# Allegro board com_v1_p3.brd (continued)
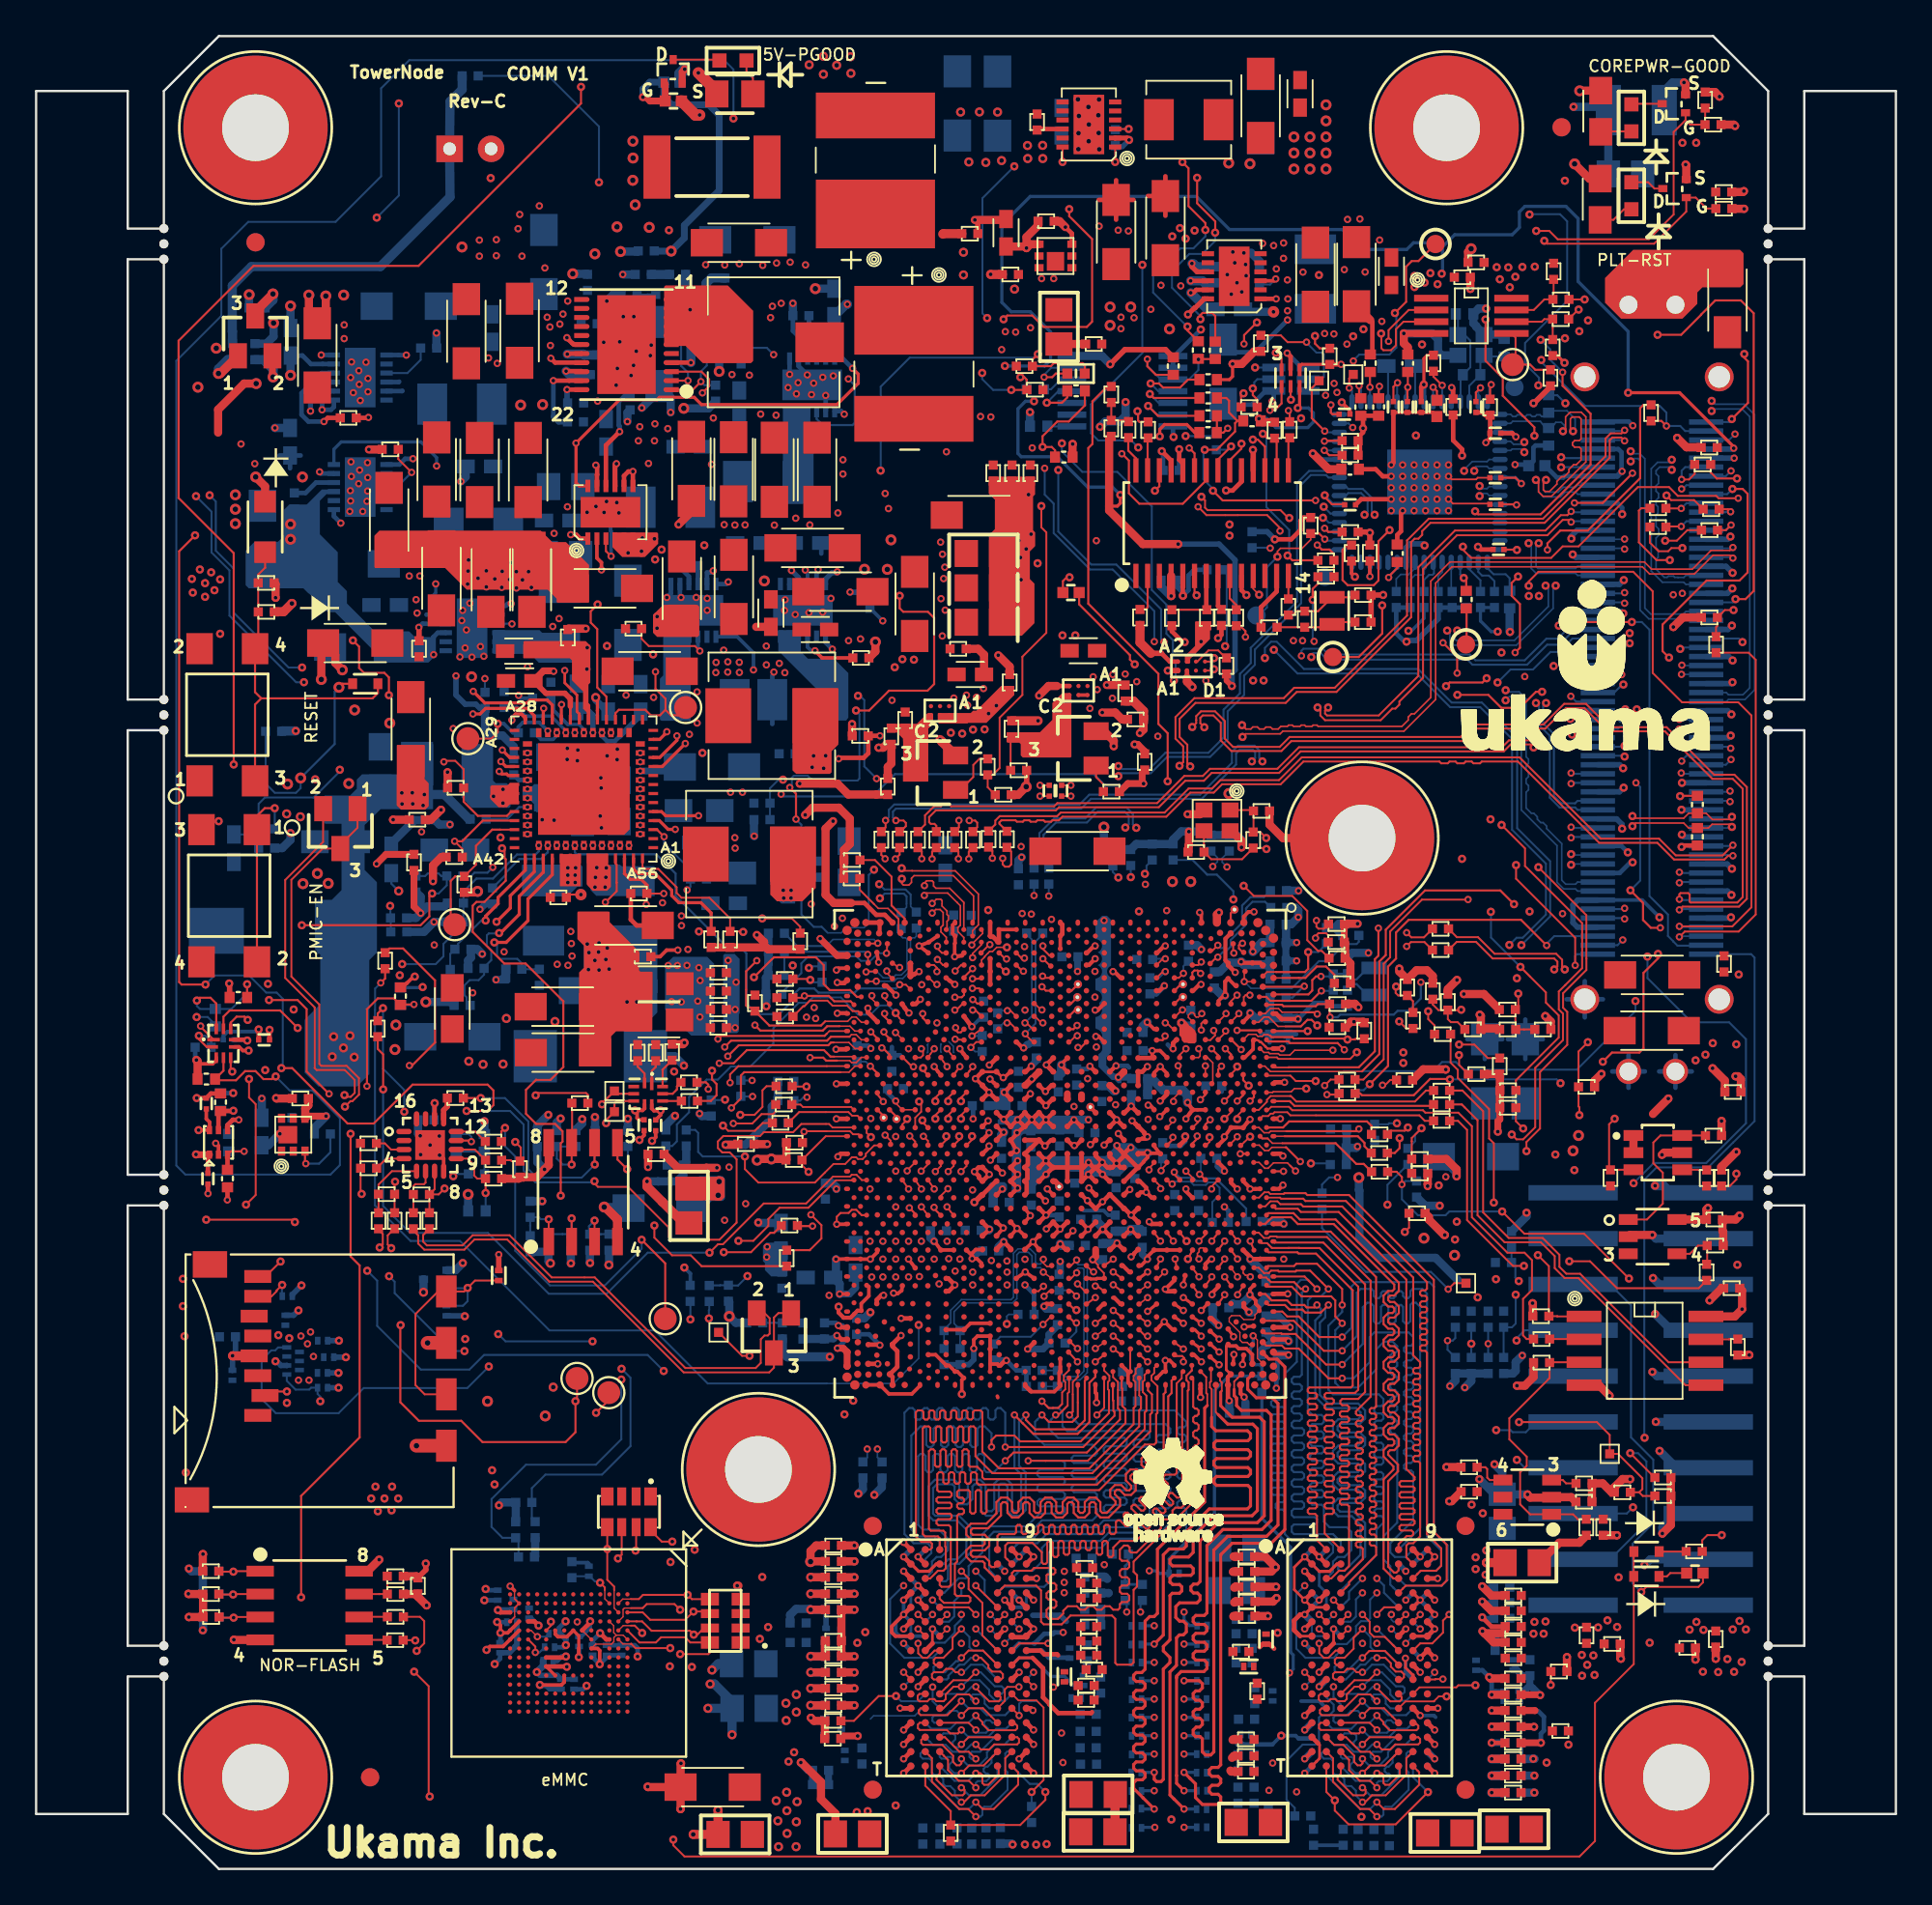
[diagram p0: board, top side]
## Nets (continued)
UNNAMED_7_BYTISOCR1P1_I121_SI_1: R2C9.1(A[0]) U3C1.BH22(SIO_I2C0_DATA)
UNNAMED_7_BYTISOCR1P1_I121_SIOI: R2C12.1(A[0]) U3C1.BG23(SIO_I2C0_CLK)
UNNAMED_7_BYTISOCR1P1_I121_USB3: R2M40.1(A[0]) U3C1.M7(USB3DEV_REXT[0])
UNNAMED_25_BYTISOCR1P1_I90_GP_1: R2N6.2(B[0]) U3C1.J24(GPIO_S5[17])
UNNAMED_25_BYTISOCR1P1_I90_GPIO: R2N7.2(B[0]) U3C1.N26(GPIO_RCOMP)
UNNAMED_25_BYTISOCR1P1_I90_IC_1: C3B32.1(A[0]) R3B5.2(B[0]) U3C1.AH10(ICLK_OSCOUT) Y3B2.3(B)
UNNAMED_25_BYTISOCR1P1_I90_ICLK: C3B22.1(A[0]) R3B5.1(A[0]) U3C1.AH12(ICLK_OSCIN) Y3B2.1(A)
UNNAMED_25_BYTISOCR1P1_I90_IL_1: C2M16.2(A[0]) R2M43.2(B[0]) U3C1.A9(ILB_RTC_X2) Y2M2.2(B)
UNNAMED_25_BYTISOCR1P1_I90_IL_2: C2N1.2(A[0]) R2M43.1(A[0]) U3C1.C9(ILB_RTC_X1) Y2M2.1(A)
UNNAMED_25_BYTISOCR1P1_I90_ILBR: C2M20.1(A[0]) U3C1.B8(ILB_RTC_EXTPAD)
UNNAMED_25_BYTISOCR1P1_I90_SV_1: R3C16.1(A[0]) U3C1.C25(SVID_CLK)
UNNAMED_25_BYTISOCR1P1_I90_SV_2: R3C12.1(A[0]) U3C1.A25(SVID_DATA)
UNNAMED_25_BYTISOCR1P1_I90_SVID: R3C10.1(A[0]) U3C1.B24(SVID_ALERT_N)
UNNAMED_27_MOSFETNDUAL6P_I124_D: Q2N1.5(G2) Q2N1.6(D1) R3B16.2(B[0])
UNNAMED_44_PCA9517A_I135_EN: R2A5.2(B[0]) TP141.1(A) U2A1.5(EN)
UNNAMED_49_IDTP9147_I1_LX1: L3M2.1(INA) U2B1.4(LX1) U2B1.5(LX2) U2B1.6(LX3)
UNNAMED_49_IDTP9147_I1_RSET: R3M1.1(A[0]) U2B1.3(RSET)
UNNAMED_49_IDTP9147_I2_LX1: L3M1.1(INA) U3L1.4(LX1) U3L1.5(LX2) U3L1.6(LX3)
UNNAMED_49_IDTP9147_I2_RSET: R3L16.1(A[0]) U3L1.3(RSET)
UNNAMED_50_IDTP9147_I7_LX1: L3M3.1(INA) U4M3.4(LX1) U4M3.5(LX2) U4M3.6(LX3)
UNNAMED_50_IDTP9147_I7_RSET: R4M6.1(A[0]) U4M3.3(RSET)
UNNAMED_50_IDTP9147_I11_LX1: L4L1.1(INA) U4L1.4(LX1) U4L1.5(LX2) U4L1.6(LX3)
UNNAMED_50_IDTP9147_I11_RSET: R4L2.1(A[0]) U4L1.3(RSET)
UNNAMED_50_IDTP9147_I54_LX1: L4M1.1(INA) U4M1.4(LX1) U4M1.5(LX2) U4M1.6(LX3)
UNNAMED_50_IDTP9147_I54_RSET: R1B2.1(A[0]) U4M1.3(RSET)
UNNAMED_51_IDTP9147_I7_LX1: L3M4.1(INA) U3M1.4(LX1) U3M1.5(LX2) U3M1.6(LX3)
UNNAMED_51_IDTP9147_I7_RSET: R2B1.1(A[0]) U3M1.3(RSET)
UNNAMED_51_IDTP9147_I49_LX1: L2L1.1(INA) U3A3.4(LX1) U3A3.5(LX2) U3A3.6(LX3)
UNNAMED_51_IDTP9147_I49_RSET: R2L12.1(A[0]) U3A3.3(RSET)
UNNAMED_81_CAPN_I19_A: C3A23.1(A[0]) R3A18.1(A0) R10609.1(A[0]) Y3A1.1(A)
UNNAMED_81_CAPN_I20_A: C3A25.1(A[0]) R3A18.2(B0) R10603.1(A[0]) Y3A1.2(B)
UNNAMED_81_RESN_I34_B: R2A16.2(B[0]) U3A5.27(SERIRQ)
UNNAMED_81_RESN_I66_B: R3A19.2(B0) U3A5.21(LCLK)
UNNAMED_101_NPN_I2_B: Q40.1(B) Q40.3(C) R1750.2
UNNAMED_101_NPN_I2_E: Q40.2(E) R1751.2
UNNAMED_101_NPN_I19_B: Q41.1(B) Q41.3(C) R1752.2
UNNAMED_101_NPN_I19_E: Q41.2(E) R1753.2
UNNAMED_119_CAPN_I20_A: C3L7.1(A[0]) R3L4.2(B[0])
UNNAMED_119_CAPN_I22_A: C3L9.1(A[0]) U2A2.4(VBST)
UNNAMED_119_CAPN_I22_B: C3L9.2(B[0]) R3L6.2(B[0])
UNNAMED_119_CAPN_I28_A: C3L12.1(A[0]) U2A2.18(VREG)
UNNAMED_119_CAPN_I37_A: C3L10.1(A[0]) R3L7.1(A[0]) R3L8.1(A[0]) R3L9.2(B[0])
UNNAMED_119_CHOKE_I17_INA: L2A1.1(INA) R3L4.1(A[0]) R3L6.1(A[0]) U2A2.6(LL_6) U2A2.7(LL_7) U2A2.8(LL_8) U2A2.9(LL_9) U2A2.10(LL_10) U2A2.11(LL_11)
UNNAMED_119_RESN_I12_A: R3L11.1(A[0]) U2A2.20(MODE)
UNNAMED_119_RESN_I13_A: R3L13.1(A[0]) U2A2.21(TRIP)
UNNAMED_119_RESN_I25_A: R3L12.1(A[0]) R3L15.1(A[0]) U2A2.1(VFB)
UNNAMED_119_RESN_I34_B: R3L7.2(B[0]) U2A2.2(EN)
UNNAMED_119_RESN_I39_A: R3L14.1(A[0]) U2A2.22(RF)
UNNAMED_127_IDTP9145R1P15_I1__1: R3M11.1(A[0]) U2B3.B35(VNN_GSEN)
UNNAMED_127_IDTP9145R1P15_I1__2: L2B2.1(INA) U2B3.A6(V1P05S_LX) U2B3.A7(V1P05S_LX1)
UNNAMED_127_IDTP9145R1P15_I1__3: R4M9.1(A[0]) U2B3.B30(VDDQ_FB)
UNNAMED_127_IDTP9145R1P15_I1_DR: R4M12.2(B[0]) U2B3.B32(DRAMPWROK)
UNNAMED_127_IDTP9145R1P15_I1_V1: L2B1.1(INA) U2B3.A8(V1P0A_LX) U2B3.A9(V1P0A_LX1)
UNNAMED_127_IDTP9145R1P15_I1_VC: L3M6.1(INA) U2B3.A50(VCC_LX) U2B3.A51(VCC_LX1) U2B3.A52(VCC_LX2)
UNNAMED_127_IDTP9145R1P15_I1_VD: L4M2.2(INA) U2B3.A35(VDDQ_LX) U2B3.A36(VDDQ_LX1) U2B3.A37(VDDQ_LX2)
UNNAMED_127_IDTP9145R1P15_I1_VN: L3M7.1(INA) U2B3.A47(VNN_LX) U2B3.A48(VNN_LX1) U2B3.A49(VNN_LX2)
UNNAMED_240_DIOSOT23C_I32_A1: CR1L1.2(A1) R1L2.2(B[0])
UNNAMED_263_CAPN_I91_A: C2B25.1(A[0]) Q3B1.3(C) R2B8.2(B[0]) U3B1.C2(ON)
UNNAMED_263_CAPN_I111_A: C2B24.1(A[0]) Q2B1.3(C) R2B6.2(B[0]) U2B2.C2(ON)
UNNAMED_263_IDTP9145R1P15_I1_VS: R11144.2(B[0]) TP126.1(A) U2B3.A40(VSYS_S_EN)
UNNAMED_263_NPN_I95_B: Q3B1.1(B) R3B4.2(B[0])
UNNAMED_263_NPN_I115_B: Q2B1.1(B) R2B10.2(B[0])
UNNAMED_266_IDTP9147_I38_LX1: L1D1.1(INA) U1D1.4(LX1) U1D1.5(LX2) U1D1.6(LX3)
UNNAMED_266_IDTP9147_I38_RSET: R4P6.1(A[0]) U1D1.3(RSET)
UNNAMED_266_IDTP9147_I44_LX1: L3M5.1(INA) U3M2.4(LX1) U3M2.5(LX2) U3M2.6(LX3)
UNNAMED_266_IDTP9147_I44_RSET: R2B2.1(A[0]) U3M2.3(RSET)
USB3_P0_ICLK_DN: R2M41.1(A[0]) U3C1.P7(RESERVED_P7)
USB3_P0_ICLK_DP: R2M39.1(A[0]) U3C1.P6(RESERVED_P6)
USB3_P1_ICLK_DN: R2M38.1(A[0]) U3C1.H5(RESERVED_H5)
USB3_P1_ICLK_DP: R2M36.1(A[0]) U3C1.H4(RESERVED_H4)
USB3_RX0_N: J20.24 U3C1.E3(USB3_RXN[0])
USB3_RX0_P: J20.23 U3C1.D4(USB3_RXP[0])
USB3_TX0_N: C1982.2(B[0]) J20.79
USB3_TX0_P: C1981.2(B[0]) J20.78
USB_DN0: J20.27 U3C1.K16(USB_DN[0])
USB_DN1: J20.50 U3C1.G14(USB_DN[1])
USB_DN2: J20.41 U3C1.J12(USB_DN[2])
USB_DP0: J20.26 U3C1.M16(USB_DP[0])
USB_DP1: J20.49 U3C1.J14(USB_DP[1])
USB_DP2: J20.40 U3C1.K12(USB_DP[2])
USB_HSIC_RCOMP: R3B14.1(B[0]) U3C1.A7(USB_HSIC_RCOMP)
USB_OBSP: R3B10.2(B[0]) U3C1.M13(USB_PLL_MON)
USB_OC0_N: R2B39.2(B[0]) U3C1.C20(USB_OC0_N)
USB_OC1_N: R2B38.2(B[0]) U3C1.B20(USB_OC1_N)
USB_RCOMP: R3B8.2(B[0]) U3C1.C7(USB_RCOMPI) U3C1.D6(USB_RCOMPO)
USB_REFCLKN: R3B12.2(B[0]) U3C1.F10(ICLK_USB_TERM[0])
USB_REFCLKP: R3B13.2(B[0]) U3C1.D10(ICLK_USB_TERM[1])
USB_ULPI_RST_N: R2N1.2(B[0]) U3C1.J20(USB_ULPI_RST_N)
VBAK: R1L3.1(A[0]) U2B3.A19(VBAK)
VHDMI_EN_N: J20.100 R11154.2(B[0]) U2B3.A3(VHDMI_EN)
VNN_DIF: U2B3.B25(GPIO3/VNN_DIF) U4L1.1(DIF) U4M1.1(DIF) U4M3.1(DIF)
VNN_DIO: U2B3.A33(GPIO2/VNN_DIO) U4L1.12(DIO) U4M1.12(DIO) U4M3.12(DIO)
VNN_S: C1B1.1(A[0]) C2A16.1(A[0]) C2A17.1(A[0]) C2B1.2(B[0]) C2B6.1(A[0]) C2B7.1(A[0]) C2B10.1(A[0]) C2B13.1(A[0]) C2B16.1(A[0]) C2B40.1(A[0]) C2B41.2(B[0]) C2B45.2(B[0]) C2B46.2(B[0]) C2N14.1(A[0]) C2N15.1(A[0]) C2N46.1(A[0]) C2N47.1(A[0]) C3A22.1(A[0]) C3M1.1(A[0]) C3M3.1(A[0]) C3M5.1(A[0]) C3N14.1(A[0]) L3M3.2(INB) L3M7.2(INB) L4L1.2(INB) L4M1.2(INB) R2B22.2(B[0]) U3C1.AA24(UNCORE_VNN_S3_AA24) U3C1.AC22(UNCORE_VNN_S3_AC22) U3C1.AC24(UNCORE_VNN_S3_AC24) U3C1.AD22(UNCORE_VNN_S3_AD22) U3C1.AD24(UNCORE_VNN_S3_AD24) U3C1.AF22(UNCORE_VNN_S3_AF22) U3C1.AF24(UNCORE_VNN_S3_AF24) U3C1.AG22(UNCORE_VNN_S3_AG22) U3C1.AG24(UNCORE_VNN_S3_AG24) U3C1.AJ22(UNCORE_VNN_S3_AJ22) U3C1.AJ24(UNCORE_VNN_S3_AJ24) U3C1.AK22(UNCORE_VNN_S3_AK22) U3C1.AK24(UNCORE_VNN_S3_AK24) U3C1.AK25(UNCORE_VNN_S3_AK25) U3C1.AK27(UNCORE_VNN_S3_AK27) U3C1.AK29(UNCORE_VNN_S3_AK29) U3C1.AK30(UNCORE_VNN_S3_AK30) U3C1.AK32(UNCORE_VNN_S3_AK32) U3C1.AM22(UNCORE_VNN_S3_AM22)
VSFR_SX: C2B35.1(A[0]) C2B37.1(A[0]) C2C1.1(A[0]) C2C3.1(A[0]) C2N25.1(A[0]) C2N43.1(A[0]) C3M9.1(A[0]) C3M30.1(A[0]) C3M33.1(A[0]) C3N1.1(A[0]) C3N4.1(A[0]) R2B36.1(A[0]) U2B3.B16(VSFRX) U3C1.AA25(UNCORE_V1P35_S3_F5) U3C1.AD36(DRAM_V1P35_S3_F1) U3C1.AF19(UNCORE_V1P35_S3_F6) U3C1.AG19(UNCORE_V1P35_S3_F1) U3C1.AG32(UNCORE_V1P35_S3_F2) U3C1.U36(UNCORE_V1P35_S3_F4) U3C1.V36(UNCORE_V1P35_S3_F3)
VTT_DDR: C2B22.1(A[0]) C324.2 C325.2 C342.1 C343.1 C344.1 C345.1 C346.1 C347.1 C348.1 C349.1 C350.1 C351.1 C352.1 R658.1 R11232.2 R11233.2 R11234.2 R11235.2 R11236.2 R11237.2 R11238.2 R11239.2 R11240.2 R11241.2 R11242.2 R11243.2 R11244.2 R11245.2 R11246.2 R11247.2 R11248.2 R11249.2 R11250.2 R11251.2 R11252.2 R11253.2 R11254.2 R11255.2 R11257.2 U2B3.A23(VTT) U2B3.B10(VBG_REF)
VUSBPHY: C3M10.1(A[0]) U2B3.B19(VUSBPHY)
WAKE_LAN_N: R2M27.1(A[0]) R2N6.1(A[0]) R3C14.2(B[0]) R3C17.1(A[0])
WD_RESET_L: R11265.2(B[0]) U16.1(NRESET) U9002.6(IN2)
WDI: R3B22.1(A[0]) R11266.1(A[0]) U16.4(WDI)
N14102: R2M45.1(A[0]) U3C1.M12(USB3_REXT[0])
N44672: R11130.1(A[0]) U3A7.C2(OE)
N44680: R11131.2(B[0]) U3A6.5(SHDN_N)
N45963: C2A9.1(A[0]) C2A12.1(A[0]) C2A13.1(A[0]) L2A1.2(INB) R11145.1(A[0])
N361919: C1918.1(A[0]) D10089.A D10136.K R10373.2(B[0]) S2.3 S2.4
N362213: D10147.K R10375.2(B[0])
N1639359: R562.1 U30.L8(ZQ)
N1643127: R647.1 U37.L8(ZQ)
N1663996: R375.1 U27.L8(ZQ)
N1665298: R301.1 U24.L8(ZQ)
N19084489: R11156.1(A[0]) U3C1.BC16(GPIO_S0_SC[61])
N19349060: R384.1 U27.M7(NC5)
N19719158: R11501.1(A[0]) U3C1.BC14(GPIO_S0_SC[58])
N19720066: R10550.1(A[0]) U3C1.AU34(SIO_UART1_RXD)
N19720069: R10551.1(A[0]) U3C1.AV34(SIO_UART1_TXD)
N19720228: R10552.1(A[0]) R11166.1(A[0]) U3C1.AY34(SIO_UART1_CTS_N)
N19723498: R10557.1(A[0]) R10811.2(B[0]) U3C1.G30(DDI1_DDCCLK)
N20262523: C1833.2(B[0]) U3C1.BF6(SATA_TXP[0])
N20369148: R10610.2(B[0]) U3A5.8(NC5)
N20369635: R2A15.1(A[0]) R3A17.2(B[0]) U3A5.7(PP)
N20371644: R10605.2(B[0]) U3A5.28(NC10)
N20371707: R10606.2(B[0]) U3A5.2(NC3)
N20371755: R10607.2(B[0]) U3A5.9(NC6)
N20371791: R10608.2(B[0]) U3A5.15(NC9)
N20372791: R10603.2(B[0]) U3A5.14(NC8)
N20372796: R10609.2(B[0]) U3A5.13(NC7)
N20572057: C1982.1(A[0]) U3C1.K7(USB3_TXN[0])
N20572071: C1981.1(A[0]) U3C1.K6(USB3_TXP[0])
N20580018: C2000.1(A[0]) U3C1.AY7(PCIE_TXP[0])
N20580025: C1999.1(A[0]) U3C1.AY6(PCIE_TXN[0])
N21429834: R3B9.2(B[0]) U3C1.B16(GPIO_S5[1])
N21952952: R2B43.1(A[0]) U3C1.N30(DDI1_VDDEN)
N21952955: R2B44.1(A[0]) U3C1.J30(DDI1_BKLTEN)
N21952958: R2B45.1(A[0]) U3C1.M30(DDI1_BKLTCTL)
N23009447: R11021.2(B[0]) U3C1.D18(TAP_PRDY_N)
N23009450: R11022.2(B[0]) U3C1.F16(TAP_PREQ_N)
N24804241: R1P30.2(B[0]) TP127.1(A) U2B3.B21(IRQ)
N24949821: R2A23.1(A[0]) U3C1.BH30(GPIO_S0_SC[92])
N24949837: R2A22.1(A[0]) U3C1.BG30(GPIO_S0_SC[93])
N24995495: R11157.1(A[0]) U3C1.BD14(GPIO_S0_SC[57])
N25037963: R11165.1(A[0]) U3C1.BA34(SIO_UART1_RTS_N)
N25093296: R11231.2(B[0]) S3.1 S3.2
N25800132: R10803.2(B[0]) U253.3(NMR)
N25800216: C2039.1(A[0]) U253.4(CT)
N27159017: C37.1 C129.1 U3.C2(VDDI)
N27274288: C2153.2(B[0]) U3C1.BG7(SATA_TXN[0])
N27274411: C2154.2(B[0]) U3C1.BD10(SATA_TXP[1])
N27274420: C2155.2(B[0]) U3C1.BF10(SATA_TXN[1])
N27319573: R3B19.2(B[0]) U3C1.A17(GPIO_S5[3])
N27338459: R2N24.2(B[0]) U3C1.BA24(MMC1_RST_N)
N27493048: R3B20.1(A[0]) U3C1.AV32(SIO_SPI_CS_N)
N27493054: R3B21.1(A[0]) U3C1.BA28(SIO_SPI_MISO)
N27493060: R11259.1(A[0]) U3C1.AY28(SIO_SPI_MOSI)
N27493066: R11260.1(A[0]) U3C1.AY30(SIO_SPI_CLK)
N27521294: R11262.2(B[0]) R11263.1(A[0]) U3C1.C13(GPIO_S5[8])
N27521547: R3B22.2(B[0]) U3C1.B18(GPIO_S5[0])
N27587553: R2A18.1(A[0]) U3C1.K24(GPIO_S5[22])
N27607143: R2A3.1(A[0]) R11132.1(A[0]) U2A1.6(SDAB)
N27607158: R2A1.1(A[0]) R11133.1(A[0]) U2A1.7(SCLB)
N27610620: C4752.1 R1L1.1(A[0]) R1L3.2(B[0])
N27615406: D10113.A R10781.2(B[0])
N27615423: D10113.K Q135.D
N27615619: D10115.K Q137.D
N27615623: D10115.A R10787.2(B[0])
N27616365: R11160.2(B[0]) R11162.1(A[0]) U304.2(A1)
N27616384: R11161.2(B[0]) R11163.1(A[0]) U304.3(A2)
N27616481: R11223.2(B[0]) R11224.1(A[0]) U304.1(A0)
N27621807: R3B23.1(A[0]) U9002.4(Y)
N27640878: C4671.1 R1750.1 U7157.6(D1+)
N27640903: C4672.1 R1752.1 U7157.5(D2+)
N27640907: R11375.1 U7157.10(NTHERM)
N27640938: C4671.2 C4672.2 R1751.1 R1753.1 R11377.1(A[0]) R11378.1(A[0]) U7157.7(D-)
N27640987: R11256.1 U7157.12(SDA)
N27641010: R11374.1 U7157.13(SCL)
N27641124: R11376.1 R11504.1 U7157.9(ADD)
N27641366: R11378.2(B[0]) U7157.3(D4+)
N27641399: R11377.2(B[0]) U7157.4(D3+)
N27658136: C4746.1 R11379.2 R11380.2
N27706992: R1358.2 R1359.1 U9003.7(WP)
N27706994: R1352.2 R1355.1 U9003.1(A0)
N27706996: R1353.2 R1356.1 U9003.3(A2)
N27707013: R1354.2 R1357.1 U9003.2(A1)
N27707062: R1360.1 U9003.5(SDA)
N27707072: R1361.1 U9003.6(SCL)
N27761516: D10148.A R11381.2(B[0])
N27761532: D10148.K Q138.D
N27770243: R2A19.1(A[0]) U3C1.N24(GPIO_S5[23])
N27770387: R2A20.1(A[0]) U3C1.M20(GPIO_S5[24])
N27792737: J3321.2 R55.1
N27792751: J3321.1 R11486.2
N27793167: D10149.K R11487.2(B[0])
N27907470: R11439.1 U7177.10(DIR1)
N27907472: R11441.2 U7177.1(DIR2)
N27907482: R11440.1 U7177.2(NOE)
N28033908: R11492.2 R11494.1 U9005.5(DIR)
N28033910: R11493.1 U9005.4(B)
N28074588: R2A21.1(A[0]) U3C1.J18(GPIO_S5[25])
N28094393: R11491.1 U87.8(INT1#)
N28094509: R622.2 U87.6(SC0)
N28094511: R623.2 U87.5(SD0)
N28094557: R624.1 U87.4(INT0#)
N28095103: R11499.1 R11500.2 U9004.10(DIR1)
N28095192: R211.1 U9004.2(NOE)
N28095405: R11497.1 R11498.2 U9004.1(DIR2)
N28098364: R2M55.1(A[0]) R11280.2(B[0]) U2M2.4(JTAG_TDO)
N28098567: C2M21.2(B[0]) U2M2.40(CTOP)
N28098569: C3B20.1(A[0]) C3B21.1(A[0]) C3B25.1(A[0]) C3B34.1(A[0]) C2132.1(A[0]) U2M2.11(VDD0P9_11) U2M2.32(VDD0P9_32) U2M2.38(VDD0P9_OUT) U2M2.42(VDD0P9_42) U2M2.59(VDD0P9_59)
N28098818: R2M50.2(B[0]) U2M2.14(NVM_SO)
N28098822: C2M21.1(A[0]) U2M2.37(CBOT)
N28098835: C3B36.1(A[0]) U2M2.22(NC)
N28098898: R2M51.2(B[0]) U2M2.35(SMB_ALRT_N)
N28141258: R619.1 R11502.1 R11503.1 U87.3(RESET#)
N28177816: R11505.1 U7157.11(NTHERM2)
N28177907: R2A25.1(A[0]) U3C1.M18(GPIO_S5[26])
N280944431: R618.1 U87.11(INT#)
N280944432: R11490.1 U87.12(SCL)
N280944433: R627.1 U87.13(SDA)

Pads without a net: J3321 11 17 19; NOREF#12 1; NOREF#30 1; NOREF#35 1; NOREF#40 1; NOREF#42 1; NOREF#43 1; U2A2 5; U2B3 A1 A2 A12 A14 A15 A16 A17 A29 A30 A31 A41 A42 B11 B12 B13 B22 B23; U2M2 12 13 15 60 61 62 63; U3 A1 A2 A7 A8 A9 A10 A11 A12 A13 A14 B1 B7 B8 B9 B10 B11 B12 B13 B14 C1 C3 C5 C7 C8 C9 C10 C11 C12 C13 C14 D1 D2 D3 D4 D12 D13 D14 E1 E2 E3 E5 E8 E9 E10 E12 E13 E14 F1 F2 F3 F10 F12 F13 F14 G1 G2 G3 G10 G12 G13 G14 H1 H2 H3 H5 H12 H13 H14 J1 J2 J3 J12 J13 J14 K1 K2 K3 K6 K7 K10 K12 K13 K14 L1 L2 L3 L12 L13 L14 M1 M2 M3 M7 M8 M9 M10 M11 M12 M13 M14 N1 N3 N6 N7 N8 N9 N10 N11 N12 N13 N14 P1 P2 P7 P8 P9 P10 P11 P12 P13 P14; U3A5 1 3 12; U3C1 AB2 AB3 AB7 AB9 AB12 AB13 AC1 AC3 AD2 AD3 AD4 AD6 AF2 AF3 AF13 AF14 AF48 AF50 AF51 AF52 AG1 AG3 AG51 AG53 AH40 AH44 AH52 AJ51 AK7 AK9 AK40 AK42 AK45 AK47 AK48 AK50 AK51 AK52 AL1 AL3 AL51 AL53 AM9 AM10 AM13 AM14 AM41 AM42 AM45 AM47 AM48 AM50 AM52 AP41 AP42 AP44 AP45 AP47 AP48 AP50 AP51 AP52 AR51 AR53 AT32 AT34 AT36 AT40 AT41 AT42 AT44 AT45 AT48 AT50 AT51 AU32 AU36 AU53 AV9 AV10 AV36 AV40 AV44 AV45 AV48 AV50 AV52 AW1 AW41 AW51 AW53 AY2 AY14 AY20 AY38 AY40 AY42 AY44 AY45 AY47 AY48 AY51 AY52 B4 B5 B12 B26 B28 B30 BA1 BA3 BA12 BA18 BA20 BA36 BA38 BA42 BA51 BB3 BB4 BB44 BB47 BB49 BB50 BB51 BC18 BC36 BC38 BC40 BC44 BC52 BC53 BD2 BD18 BD20 BD28 BD32 BD34 BD36 BD38 BD40 BD42 BD44 BD47 BE46 BE51 BE52 BF2 BF27 BF28 BF32 BF34 BF40 BF42 BF48 BF50 BF52 BG18 BG19 BG20 BG21 BG22 BG26 BG27 BG28 BG29 BG32 BG33 BG35 BG36 BG37 BG38 BG40 BG41 BG43 BG47 BH4 BH5 BH6 BH7 BH8 BH12 BH14 BH18 BH20 BH26 BH28 BH32 BH34 BH36 BH38 BH40 BH42 BH44 BH46 BH47 BH48 BH49 BH50 BJ9 BJ21 BJ29 BJ33 BJ37 BJ41 BJ45 C18 C19 C21 C27 C29 C30 D2 D28 D32 D34 D48 E2 E46 F28 F32 F34 F44 G2 G24 H3 H7 H8 H10 J3 J28 J34 K2 K3 K10 K18 K20 K28 K34 L1 L3 M2 M3 M4 M6 M22 M24 M32 N3 N32 N34 P2 P3 P10 P12 P34 P42 P45 P48 P50 R1 R3 T2 T3 T4 T6 T7 T9 T10 T12 T13 T14 V2 V3 V4 V6 V9 V10 V13 V14 W1 W3 Y2 Y3 Y4 Y6 Y12 Y13; U11 3; U16 3; U24 J1 J9 L1 L9; U27 J1 J9 L1 L9; U30 J1 J9 L1 L9; U37 J1 J9 L1 L9; U87 9 10; U7157 1 2 15 16

## Via types
v1: diameter 0.457, hole 0.203, TOP to BOTTOM, 861 vias
v2: diameter 0.406, hole 0.203, TOP to BOTTOM, 1433 vias
v3: diameter 0.381, hole 0.203, TOP to BOTTOM, 39 vias
v4: diameter 0.508, hole 0.254, TOP to BOTTOM, 75 vias
v5: diameter 0.61, hole 0.305, TOP to BOTTOM, 99 vias
v6: diameter 0.635, hole 0.203, TOP to BOTTOM, 4 vias

## Routing (per net, layer and track width the routed paths; a pad name or vN(x,y) marks a point on that pad's centre or on a via; arc(x,y) is an arc through that point)
D0VREFCA1: length 4.5
  TOP w0.254: U27.M8 v2(76.7,8.5)
  TOP w0.381: 82.29,6.99 v1(83.39,6.99)
  TOP w0.457: R424.1 82.29,6.99
  BOTTOM w0.203: v2(76.7,8.5) 77.46,8.5 77.55,8.41
  BOTTOM w0.254: v1(83.39,6.99) 83.39,7.5 83.55,7.67 83.55,8.44 83.24,8.75
D0VREFCA3: length 1.6
  BOTTOM w0.203: 70.1,9.3 71.1,9.3 U24.M8
D0VREFDQ1: length 1
  TOP w0.254: 67.8,12.29 67.97,12.46 R352.2 68.36,12.46 68.6,12.21
D1VREFCA1: length 3.3
  BOTTOM w0.089: U30.M8 49.1,8.9 48.69,8.49 46.41,8.49 46.23,8.31
D1VREFCA3: length 2.2
  TOP w0.109: U37.M8 v2(54.47,8.5)
  BOTTOM w0.112: v2(54.47,8.5) 54.47,9.16 54.63,9.31 55.41,9.31
  vias: v2(56.37,10.08)
D1VREFDQ1: length 2.6
  BOTTOM w0.254: R480.2 57.25,11.71 56.11,11.71 55.72,12.1 55.03,12.1
  BOTTOM w0.305: U30.H1 55.03,12.1
D1VREFDQ3:
  vias: v1(45.51,12.53) v1(45.95,13.13)
GND: length 804
  TOP w0.076: 32.15,12.96 32.15,12.96 32.02,12.83 32.02,12.59 31.88,12.46 31.01,12.46 U3.E7 ; 32.15,12.96 32.53,12.96 U3.A6 ; 32.15,12.96 32.01,13.1 32.01,13.48 U3.C4 ; U3C1.C45 67.54,30.7 67.54,30.53 67.47,30.45 66.93,30.45 66.71,30.67 66.25,30.67 66.12,30.54 66.12,30.33 66.71,29.74 66.71,29.32 66.84,29.18 ; 26.52,13.97 26.52,14.47 ; 26.51,14.98 26.51,15.43
  TOP w0.086: U3C1.BA22 U3C1.BC22 47.63,42.45 v2(47.63,42.57) ; 66.84,29.18 67.11,29.18 67.23,29.06 U3C1.C49 ; U3C1.J16 64.92,44.98 65.21,44.69 65.21,43.59 U3C1.H19 ; 64.11,45.95 U3C1.K14
  TOP w0.089: v1(67.77,70.63) 67.44,70.96 U3A5.11
  TOP w0.102: U3.P4 26.52,13.97 ; C3B20.2 80.52,75.69 78.51,75.69 v2(78.27,75.93) ; 26.52,14.47 U3.N2 26.51,14.98 ; C3B23.2 79.89,77.12 79.8,77.03 78.43,77.03 v2(78.27,77.2) ; 59.17,32.76 59.17,33.03 58.88,33.32 58.88,33.32 58.84,33.36 58.84,33.48 v2(58.55,33.77)
  TOP w0.109: 60.51,27.45 60.63,27.56 60.63,28.82 ; U27.B9 77.5,17.3 v2(77.5,17.3)
  TOP w0.112: v2(44.37,35.74) 44.37,36.15 44.58,36.36 45.02,36.36 45.2,36.54 45.45,36.54 45.75,36.24 U3C1.BG34
  TOP w0.114: 66.06,88.29 U3A3.13
  TOP w0.127: U3C1.A15 68.24,45.47 68.13,45.59 68.13,45.59 67.88,45.83 67.88,45.83 67.82,45.83 67.74,45.92 67.64,45.95 67.49,45.95 U3C1.C14
  TOP w0.152: 70.47,14.27 v2(70.3,14.1) ; U27.A9 v2(77.5,17.3) ; v2(77.5,17.3) U27.B9 77.1,16.9 v2(77.5,17.3) ; 71.11,16.49 U27.B1 70.7,16.9 v2(70.3,17.3) 69.72,16.73 69.72,15.48 v2(70.3,14.9) 70.3,14.9 U27.E1 U27.E2 ; U27.T1 71.12,6.13 71.12,6.88 71.04,6.96 ; U27.G1 70.05,12.9
  TOP w0.165: 55.22,11.7 54.47,11.7 U37.J8
  TOP w0.173: U27.E1 70.47,14.27
  TOP w0.178: 59.17,32.76 U3C1.Y41 58.79,32.74 58.76,32.7 58.43,32.7 58.4,32.74 U3C1.AB41 ; 76.91,80.74 C2M22.2 C3B26.2 C3B25.2 ; U37.B3 49.88,16.9 49.48,16.5 48.9,16.5 48.5,16.9 U37.B1 ; U27.E8 76.49,14.69 v2(76.7,14.9) 76.7,14.9 U27.D8 ; U3.G5 30.07,12.92 30.07,12.22 ; 71.11,16.49 71.68,16.49 72.09,16.9 U27.B3 ; U27.G8 U27.G9
  TOP w0.203: U7157.8 22.58,39.38 v1(21.83,40.13) ; U3C1.AU1 50.79,52.33 50.79,51.84 U3C1.AU3 50.92,51.32 50.9,51.3 v2(50.9,50.57) ; U3.G5 29.42,12.87 28.92,12.87 28.77,13.02 U3.J5 ; U3C1.AA53 58.7,26.4 58.74,26.36 58.74,26.36 58.77,26.33 v2(58.77,25.85) ; U3C1.T40 61.23,33.45 v2(61.58,33.79) 61.58,33.94 U3C1.P38 U3C1.N38 U3C1.M38 ; U3C1.BG53 U3C1.BE53 47.26,26.33 48.53,26.33 48.98,26.78 U3C1.BA53 ; U3C1.AM25 53.3,40.47 53.3,40.51 v2(53.62,40.84) 53.55,40.84 U3C1.AM24 ; U3C1.BG45 45.73,31.34 46.15,31.76 46.15,32.28 U3C1.BG42 ; 52.88,27.99 52.87,28 U3C1.AN49 U3C1.AN48 52.16,29.54 51.96,29.33 v2(51.96,28.85) ; 52.88,27.99 53.28,27.99 U3C1.AM51 ; 52.88,27.99 52.87,27.97 U3C1.AN51 ; v2(63.48,46.91) 63.67,46.72 U3C1.L13 64.08,45.98 U3C1.K14 ; v1(72.35,81.3) 72.8,80.84 C3B34.2 ; v2(9.95,40.22) 9.97,40.22 10.11,40.09 U9005.2 ; U3C1.E1 66.92,52.79 67.19,53.05 v2(67.49,53.05) ; U3C1.AN46 51.77,30.25 U3C1.AT47 U3C1.AV47 ; U3C1.BF4 v2(46.69,50.26) ; U3C1.N16 62.28,45.36 v2(61.85,45.36) 61.85,45.08 U3C1.P16 ; U3C1.AV18 49.97,44.2 v2(49.77,44.48) ; U3C1.A49 68.67,28.55 69.34,28.55 v2(69.4,28.49) ; v2(44.37,35.74) 44.92,35.74 U3C1.BJ35 ; U3C1.E8 66.45,48.96 U3C1.F7 ; v2(55.27,17.3) U37.A9 ; 26.51,15.43 v2(26.27,15.67) ; U3C1.D16 66.97,44.98 67.44,45.44 67.44,45.91 ; v1(51.3,26.32) 51.3,27.1 U3C1.AT52 51.05,27.57 U3C1.AU51 50.58,27.91 U3C1.AV51 49.84,28.51 U3C1.AY50 ; U3C1.BJ43 44.53,31.87 v2(44.53,31.87) ; U3C1.D24 U3C1.F24 ; U3C1.F24 v2(65.85,40.59) ; U3C1.F24 66.55,41.09 ; C69.2 33.69,40.67 v1(33.44,40.41) ; U3C1.K50 64.17,28.51 64.56,28.11 v2(64.57,28.11) ; U3C1.AE51 56.69,27.51 56.69,26.89 U3C1.AE53 56.75,26.78 56.42,26.45 55.14,26.45 55.1,26.5 ; U3C1.AE51 56.75,27.86 ; U3C1.AE51 56.75,27.86 ; 60.5,27.57 U3C1.U51 ; 60.5,27.57 60.51,27.56 60.51,26.96 U3C1.U53 ; 60.5,27.57 U3C1.V51 ; v2(58.73,46.15) 58.89,46.15 U3C1.Y14 ; 30.07,12.22 v1(30.07,11.74) ; U3C1.M47 62.98,29.89 62.54,30.33 v2(62.52,30.33) 62.24,30.06 62.24,30.04 U3C1.P47 ; v1(20.98,49.46) 20.91,49.46 20.55,49.11 20.54,49.11 20.31,48.87 R11498.1 ; U3C1.AP40 52.39,33.57 52.14,33.83 v2(51.87,33.83) ; v2(51.87,33.83) 51.87,34.13 52.07,34.34 U3C1.AN38 ; v2(51.87,33.83) 51.87,34 U3C1.AT38 ; U3C1.AU38 U3C1.AV38 49.84,34.72 v2(49.76,34.79) ; U37.D8 U37.E8 v2(53.67,14.9) ; C2132.2 77.4,80.74 76.91,80.74 ; U3C1.G10 65.52,48.12 65.82,48.42 v2(65.89,48.42) ; v2(55.25,34.77) U3C1.AG36 ; v2(55.25,34.77) U3C1.AG38 ; v2(55.25,34.77) U3C1.AJ38 ; U3C1.M51 63.07,27.93 62.82,28.19 v2(62.57,28.19) 62.58,27.62 U3C1.N51 62.46,27.57 U3C1.P52 ; 53.27,26.21 53.29,26.13 ; v2(44.33,33.8) 44.9,33.81 U3C1.BJ39 U3C1.BG39 45.69,33.8 v2(46.23,33.8) 46.62,34.19 U3C1.BF38 ; 56.75,27.86 U3C1.AE50 ; U3C1.AY4 v2(48.93,51.17) U3C1.AY3 U3C1.AW3 ; U3C1.AM29 53.24,38.88 53.32,38.8 53.33,38.78 53.37,38.74 53.41,38.71 53.41,38.71 v2(53.55,38.58) ; U3C1.AJ35 v2(55.09,36.21) U3C1.AJ33 ; v2(61.57,46.93) 61.95,46.55 U3C1.P13 ; U3C1.AM2 U3C1.AK2 ; v2(48.07,14.1) 47.42,13.44 47.42,13.11 47.62,12.9 U37.G1 ; U3C1.C45 67.78,31.12 67.58,31.32 67.58,31.51 v2(67.26,31.83) 67.26,32.13 U3C1.C42 ; v1(31.23,11.34) 31.23,12.1 31.12,12.22 U3.E7 ; U3C1.J1 64.57,52.93 v2(64.48,53.02) ; C70.1 34.34,40.56 v1(34.13,40.36) ; U3C1.J22 64.37,42.08 U3C1.K22 ; U2B1.2 31.08,73.75 31.08,72.67 31.33,72.42 v2(31.33,72.01) ; U9004.3 9.98,44.83 9.78,44.63 9.09,44.63 8.95,44.77 ; v1(27.92,10.2) 27.92,10.2 29.11,10.2 29.27,10.35 U3.H10 ; U3C1.AE3 U3C1.AE4 ; v2(47.52,31.92) 47.74,31.89 47.96,32.06 U3C1.BC42 ; U3C1.AM19 53.08,43.58 53.06,43.58 v2(52.86,43.78) ; U3C1.BA40 v2(48.35,33.8) ; U3C1.AK41 v2(54.82,33.09) U3C1.AH41 ; v1(24.96,12.14) 25.15,12.33 25.88,12.33 U3.P6 U3.N5 ; U3C1.AF32 v2(56.03,37.7) ; v2(53.6,35.53) U3C1.AM36
  TOP w0.229: v2(61.52,37.51) 61.83,37.2 U3C1.P32 ; v2(61.52,37.51) 61.52,37.76 61.16,38.13 U3C1.U30 ; v2(61.52,37.51) 61.21,37.51 U3C1.U32 ; 58.85,31.01 58.85,31.03 59.14,31.31 U3C1.Y44 ; U3C1.BE8 47.12,48.96 v2(47.65,48.44) ; v2(59.18,40.13) 59.5,40.44 U3C1.Y25 ; U3C1.P9 62.25,48.68 v2(62.52,48.96) ; U3C1.AK14 54.35,45.84 54.67,45.51 v2(54.72,45.51) ; v2(66.94,26.16) 66.75,26.35 U3C1.E53 ; U3C1.AT16 51.39,45.18 v2(51.19,45.47) ; v2(67.27,47.45) 67.27,47.34 U3C1.D12 ; U3C1.AA32 58.7,37.37 58.58,37.5 58.34,37.75 v2(58.34,37.75) ; U3C1.AG25 55.9,40.08 v2(55.91,40.08) 56.23,40.4 U3C1.AF25 ; U3C1.AM35 v2(53.6,35.53) ; U3C1.AB6 58.34,50.11 v2(58.69,50.45) ; v2(58.3,35.45) U3C1.AA35 ; v2(58.3,35.45) U3C1.AC35 ; v2(58.3,35.45) U3C1.AC36 ; U3C1.U40 60.58,33.09 60.22,33.45 U3C1.V40 ; U3C1.AB4 58.24,50.78 58.62,51.17 v2(58.69,51.17) ; 60.09,31.31 U3C1.V44 60.09,31.31 ; 60.09,31.31 59.75,31.66 59.68,31.66 ; U3C1.G28 65.85,38.82 v2(65.85,38.68) ; U3C1.K32 63.72,37.57 v2(63.72,37.69) ; v2(50.91,49.03) 50.63,49.23 U3C1.AV7 ; U3C1.G26 65.85,40.46 v2(65.85,40.59) ; U3C1.D24 67.11,41.38 v2(67.27,41.55) ; U3C1.P4 62.12,50.78 62.51,51.17 v2(62.57,51.17) ; v2(66.56,37.69) 66.22,38.04 U3C1.F30 ; U3C1.F5 65.9,50.36 65.9,51.57 U3C1.F2 ; U3C1.Y10 58.83,47.61 v2(58.69,47.61) ; U3C1.AC25 57.63,40.1 v2(57.53,40.1) 57.45,40.1 U3C1.AD25 ; v2(64.55,49.03) 64.47,49.03 64.12,48.68 U3C1.K9 ; v2(69.09,37.91) 68.89,37.7 U3C1.A31 ; 66.89,38.12 U3C1.D30 66.89,38.12 ; 66.89,38.12 67.27,37.74 v2(67.27,37.69) 67.57,37.69 U3C1.C31 ; U3C1.BJ11 44.92,47.44 44.41,47.44 v2(44.4,47.43) ; v2(50.9,50.57) 51.31,50.63 U3C1.AT4 ; v1(44.47,31.17) 44.47,31.16 44.47,30.84 44.75,30.55 45.13,30.55 45.33,30.75 45.52,30.94 U3C1.BG45 ; v2(65.14,33.8) 65.09,33.76 65.02,33.76 64.79,33.53 64.79,33.32 U3C1.J40 ; v2(65.16,31.84) 65.16,31.92 65.51,32.26 U3C1.G42 ; v2(63.72,41.58) 63.93,41.88 U3C1.K22 v2(63.81,42.49) ; 55.31,27.92 U3C1.AH51 ; v2(65.89,48.42) 65.89,49.19 U3C1.F7 ; v2(59.68,49.74) 59.75,49.74 60.1,49.39 U3C1.V7 ; U3C1.AK10 54.35,47.97 ; U3C1.BE1 46.74,52.44 46.74,51.89 U3C1.BE2 ; 54.8,42.68 U3C1.AJ21
  TOP w0.254: v2(48.93,49.74) 48.64,49.58 U3C1.BB7 ; U27.P9 v2(77.5,6.9) ; v2(69.18,43.61) 68.64,43.61 U3C1.A19 ; U27.F9 v2(77.5,13.3) 77.5,13.3 U27.G9 ; R2A15.2 62.94,68.61 63.53,68.01 v1(63.64,68.01) ; U3C1.P16 61.92,44.95 U3C1.U16 ; U37.G8 54.13,12.85 54.82,12.85 U37.G9 v2(55.27,13.3) U37.F9 ; C3L23.2 59.85,93.61 ; C3L23.2 58.88,92.52 ; C3L23.2 60.81,92.52 ; C3L23.2 59.85,91.42 ; 70.05,12.9 69.71,13.24 69.71,13.76 70.05,14.1 v2(70.3,14.1) ; v1(63.68,40.6) 63.68,40.42 U3C1.M26 ; 55.1,26.5 54.81,26.78 U3C1.AJ53 ; v2(61.68,35.87) 61.8,35.76 U3C1.P35 ; U3C1.A11 68.71,47.42 69.01,47.11 v2(69.93,47.11) ; U3C1.AH48 v2(54.95,28.82) ; v2(47.88,8.91) 47.88,8.9 U37.M1 ; v1(65.5,68.23) 65.68,68.41 R10610.1 ; v2(44.46,30.12) 44.56,30.02 U3C1.BJ47 ; U3C1.F5 66.06,50.09 v2(66.45,49.7) ; U3C1.BJ27 44.59,39.64 v2(44.43,39.48) ; U3C1.AN36 v2(52.83,35.45) U3C1.AN35 ; U3C1.J53 64.53,26.63 64.53,26.62 v2(64.53,26.14) ; v2(75.73,75.29) 75.64,75.2 75.64,74.15 75.43,73.95 C3B21.2 ; U3C1.AJ32 54.89,37.47 54.89,38.03 U3C1.AJ30 54.93,38.26 54.93,38.75 U3C1.AJ29 54.96,39.05 54.96,39.48 U3C1.AJ27 55.11,39.96 55.13,39.96 U3C1.AG25 U3C1.AJ25 ; v1(62.38,78.59) 62.89,78.08 U3A5.25 ; U3C1.A35 68.57,35.76 v2(69.14,35.76) ; v2(51.85,46.69) 51.82,46.69 51.82,46.72 U3C1.AT12 ; v2(75.09,75.93) 73.42,75.93 C3B36.2 ; C2B9.2 62.58,93.83 ; C2B9.2 61.61,92.73 ; C2B9.2 62.58,91.64 ; U3A6.2 69.52,83.84 v2(69.33,84.03) ; v2(55.09,42.97) 54.8,42.68 ; 71.04,6.96 U27.P1 ; v2(10.6,37.09) 10.61,37.09 R11495.2 ; U3C1.A23 v2(68.95,41.59) ; 58.51,8.69 58.46,8.64 56.64,8.64 56.15,9.13 56.15,9.16 55.8,9.51 55.8,11.12 55.22,11.7 ; U3C1.BC10 48.14,47.73 48.35,47.45 v2(48.37,47.45) ; U27.M9 77.67,8.9 v2(77.67,8.91) ; U37.E2 v2(48.87,14.9) ; U3C1.AE1 56.86,52.35 56.86,51.82 U3C1.AE3 ; U37.P9 v2(55.27,6.9) ; U3C1.A27 68.97,39.64 v2(69.09,39.52) ; U3C1.BE1 U3C1.BG1 ; U27.J2 v2(71.1,10.9) ; C2B34.2 33.28,52.3 32.95,52.63 R11155.1 ; v1(29.36,11.78) 29.31,11.72 U3.K8 ; U3C1.C14 67.44,45.91 ; U3A7.B1 63.77,66.03 ; C3B14.2 80.05,73.14 v1(79.9,73.29) ; U3C1.AM2 U3C1.AM3 53.28,51.37 53.28,51.42 53.03,51.67 52.91,51.67 U3C1.AN3 U3C1.AN1 ; v2(69.36,31.88) 69.35,31.88 69.35,31.85 69.32,31.88 68.58,31.88 U3C1.A43 ; v2(75.09,77.83) 75.21,77.95 C3B25.2 ; U27.T9 v2(77.5,5.3) ; v1(12.33,46.54) 12.33,46.53 C140.2 ; U37.D1 v2(48.07,14.9) ; U37.E1 v2(48.07,14.1) ; U37.P1 v2(48.07,6.9) ; U3C1.A47 v2(69.49,30.02) ; C3B35.2 80.15,80.74 80.31,80.58 R2M59.2 80.57,79.6 C3B18.2 80.56,79.29 v2(80.34,79.07) ; v2(69.04,45.47) U3C1.A15 ; U3C1.BJ7 44.78,49.11 44.43,49.11 v2(44.4,49.14) ; v2(46.09,47.71) 46.09,47.48 U3C1.BF12 ; v2(55.24,8.79) 55.12,8.9 U37.M9 ; U3C1.AN5 U3C1.AN6 U3C1.AN8 ; U27.M1 v2(70.3,8.5) ; U3C1.A39 U3C1.C39 67.82,33.8 v2(67.27,33.8) 67.27,33.93 U3C1.D38 ; U3B1.C1 56.56,65.57 ; R11494.2 9.69,42.98 C4751.2 8.91,42.73 v1(8.9,42.73) ; U3C1.BJ19 44.93,43.52 v2(44.35,43.52) ; v2(49,48.2) 48.75,47.95 U3C1.BB10 ; v2(9.53,37.44) 9.52,37.44 C4750.2 ; v2(53.77,28.19) 53.71,28.19 53.43,27.91 U3C1.AM51 ; U37.J2 v2(48.87,10.9) ; U2B1.7 33.07,76.67 v2(33.07,77.46) 32.82,77.46 32.58,77.22 U2B1.8 ; C2M15.2 74.23,77.59 74.63,77.2 v2(75.09,77.2) ; U37.B9 v2(55.27,17.3) ; U3C1.BJ23 44.93,41.58 v2(44.35,41.58) ; v2(46.76,29.03) 46.73,29.06 U3C1.BG49 ; U27.J8 v2(76.7,10.9) ; v2(48.07,17.3) U37.B1 ; U27.D1 v2(70.3,14.9) ; U3C1.BJ15 44.9,45.43 v2(44.33,45.43) ; U37.T9 v2(55.27,5.3) ; U37.T1 v2(48.07,5.3)